# KiCad board ui.kicad_pcb (continued)
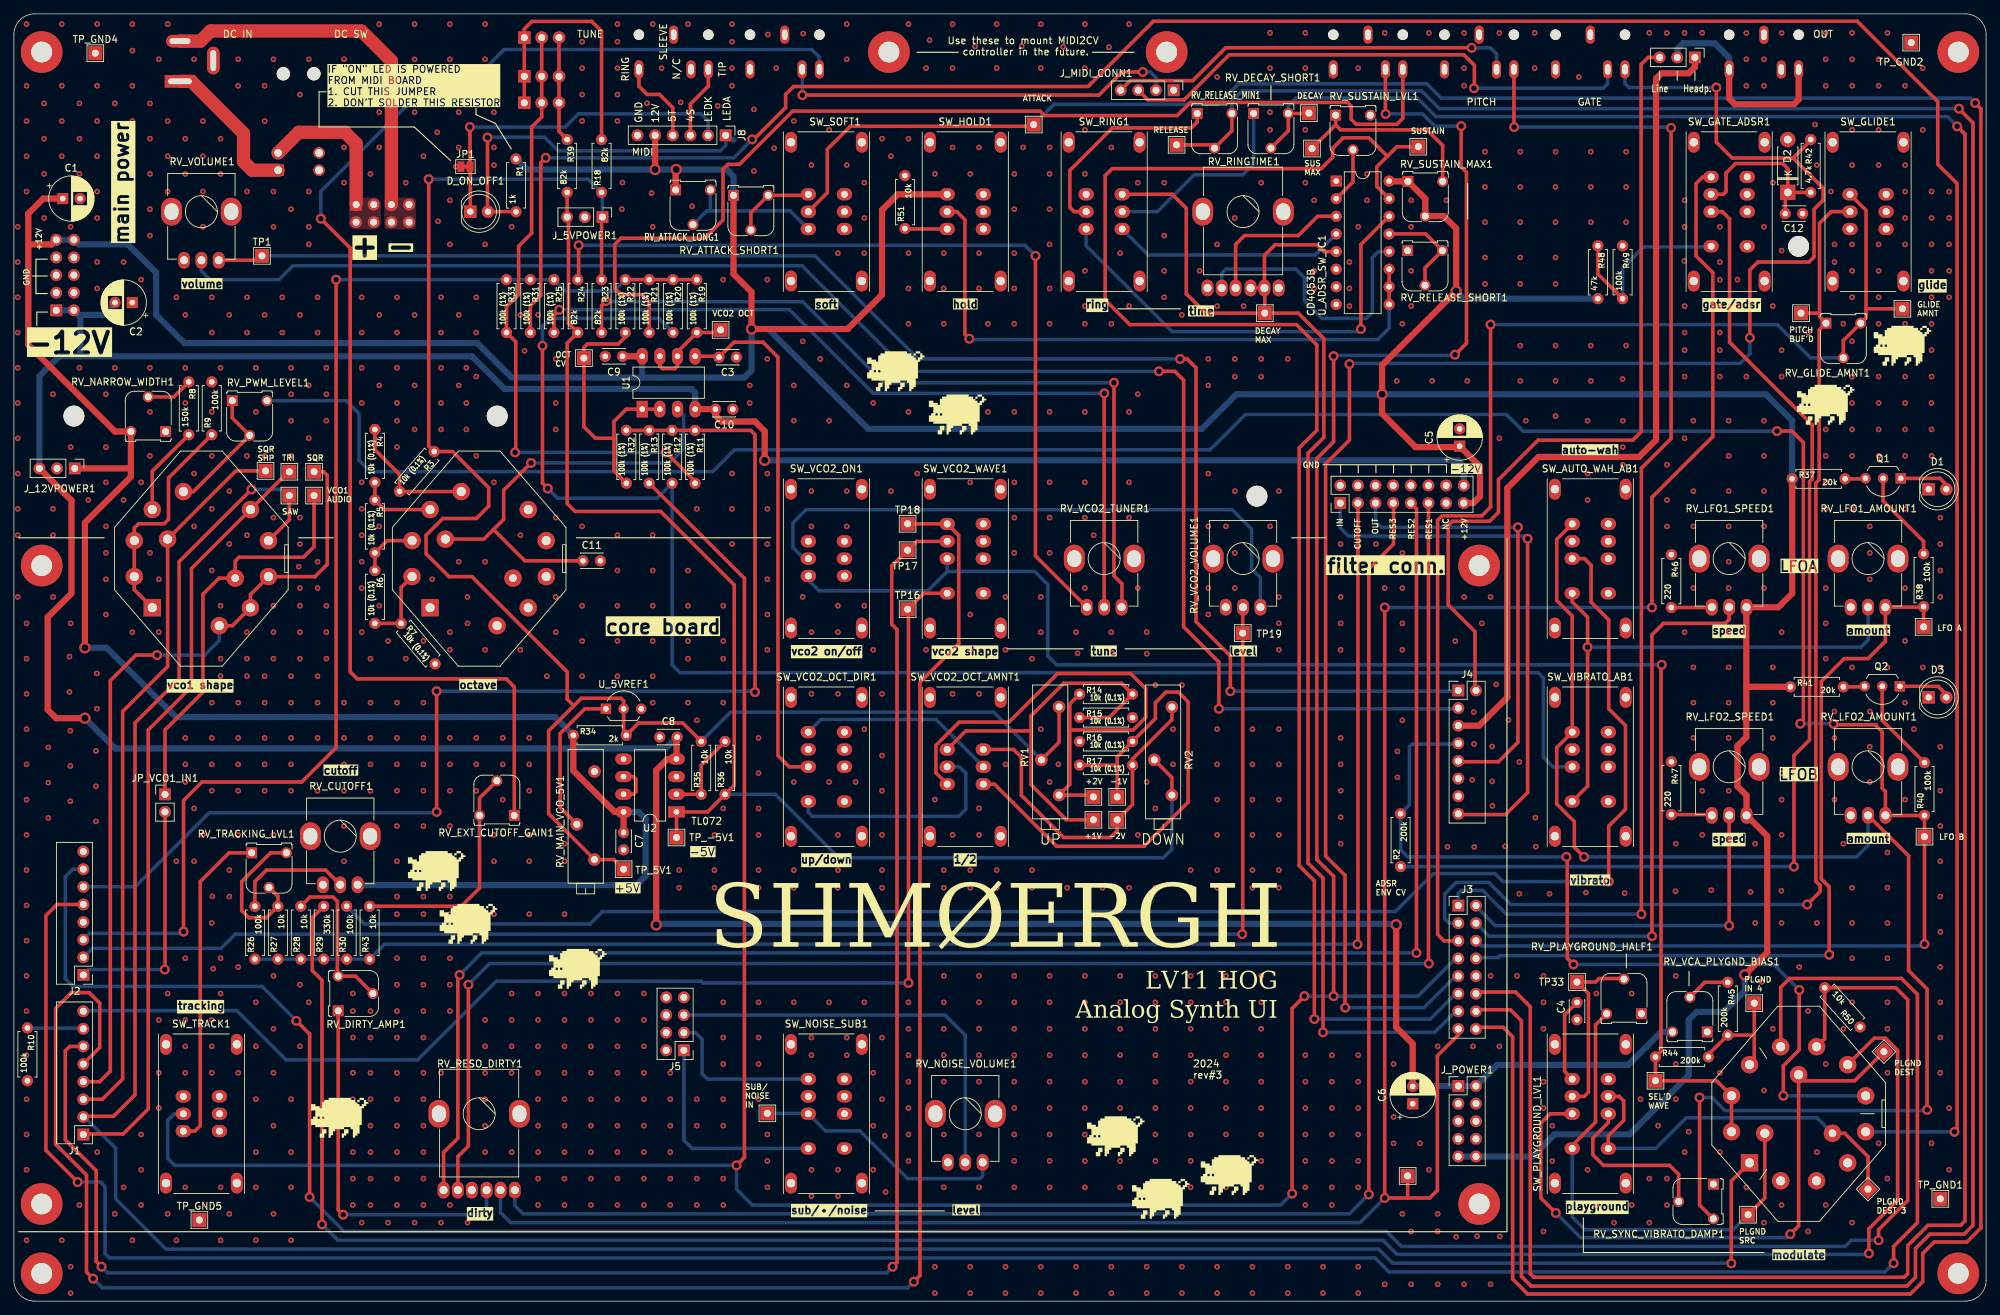
[diagram p0: board, top side]
## Routing (per net, layer and track width the routed paths; a pad name or vN(x,y) marks a point on that pad's centre or on a via; arc(x,y) is an arc through that point) (continued)
/Filter/AUTO_WAH_CV: length 238
  Top w0.508: v3(229.66,60.46) 229.66,68.46 232.07,70.87 232.07,82.94 229.66,85.35 229.66,98.18 227.12,100.72 227.12,106.05 226.17,107 SW_AUTO_WAH_AB1.3
  Bottom w0.508: v3(229.66,60.46) 214.42,60.46 213.28,61.6 204.38,61.6 198.92,56.14 84.75,56.14 82.97,54.36 50.46,54.36 R30.2
/Filter/PLAYGROUND_CV: length 312.2
  Top w0.508: v3(267.12,6.87) 267.12,10.42 271.26,14.56 271.26,36.14 269.5,37.9 267.9,37.9 SW_PLAYGROUND1.7 ; v3(44.36,11.06) 44.36,46.24 42.97,47.63 42.97,55.25 R29.2
  Bottom w0.508: v3(44.36,11.06) 46.65,8.77 197.15,8.77 199.18,6.74 267,6.74 v3(267.12,6.87)
/IO/MIDI_4R: length 12.6
  Top w0.508: J_MIDI_IN1.3 90,175.08 91.19,173.89 92.97,173.89 94.88,171.98 J8.4
/IO/MIDI_5T: length 10.6
  Top w0.508: J8.3 97.42,172.5 100,175.08 J_MIDI_IN1.2
/IO/MIDI_GATE_A: length 77.2
  Top w0.508: v3(210.25,174.78) 210.32,174.85 210.32,178.09 208.79,179.61 175.01,179.61 168.52,173.12 163.3,173.12 J_MIDI_CONN1.3
  Bottom w0.508: J_GATE1.4 229.5,175.43 228.86,174.78 v3(210.25,174.78)
/IO/MIDI_PITCH_A: length 59.3
  Top w0.508: J_MIDI_CONN1.4 160.76,175.88 169.76,175.88 174.5,180.63 209.94,180.63
  Bottom w0.508: v3(209.92,180.61) 212.62,180.61 213.5,179.73 J_PITCH1.4
/IO/MIDI_PITCH_B: length 58.2
  Top w0.508: v3(162.56,177.13) 159.57,177.13 156.24,173.79 v3(113.54,173.79)
  Bottom w0.508: v3(162.56,177.13) 163.65,177.13 164.46,176.32 J_MIDI_CONN1.2 ; J_EXT_CUTOFF1.4 113.54,177.46 v3(113.54,173.79)
/LFOs/LFO_B_CV: length 196.2
  Top w0.508: SW_AUTO_WAH_AB1.1 222.16,109.76 222.16,100.97 224.4,98.74 SW_VIBRATO_AB1.1 222.16,79.76 222.16,71.63 224.7,69.09 224.7,65.41 v3(226.1,64.01) ; RV_LFO2_AMOUNT1.2 272.84,64.16 272.84,47.63 275.5,44.97 v3(275.5,27.57) ; v3(242.74,29.34) 242.74,13.84 RV_SYNC_VIBRATO_DAMP1.3
  Bottom w0.508: v3(275.5,27.57) 275.4,27.46 246.4,27.46 244.52,29.34 v3(242.74,29.34) ; RV_LFO2_AMOUNT1.2 267,65.67 265.35,64.01 v3(226.1,64.01)
/LFOs/VIBRATO_CV: length 231.7
  Top w0.508: v3(76.11,137.68) 76.11,117.86 v3(76.88,117.1)
  Bottom w0.508: R20.2 92.88,141.61 77.26,141.61 76.11,140.47 v3(76.11,137.68) ; v3(76.88,117.1) 78.27,115.7 92.62,115.7 R12.2 94.78,91.7 95.93,90.56 219.5,90.56 220.26,89.8 220.26,78.37 221.63,77 SW_VIBRATO_AB1.3
/Playground/PLAYGROUND_DEST: length 92.2
  Top w0.508: v3(222.04,12.71) 219.88,14.87 219.88,25.66 221.22,27 SW_PLAYGROUND_LVL1.3 ; TP34.1 265.09,31.76 257.87,31.76 SW_PLAYGROUND1.14 257,10.84 v3(255.82,9.66)
  Bottom w0.508: v3(255.82,9.66) 255.31,9.15 225.59,9.15 v3(222.04,12.71)
/Playground/PLAYGROUND_SOURCE: length 71
  Top w0.508: SW_PLAYGROUND_LVL1.4 224.4,22.44 227.75,25.79 227.75,39.81 RV_PLAYGROUND_HALF1.3 ; TP32.1 252.13,14.86 SW_PLAYGROUND1.13
  Bottom w0.508: SW_PLAYGROUND_LVL1.4 224.4,12.12 226.23,10.29 247.56,10.29 TP32.1
/Playground/VCO2_SELECTED_WAVE: length 216
  Top w0.508: SW_PLAYGROUND1.2 247.34,29.59 SW_PLAYGROUND1.3 245.18,31.76 TP31.1 R44.1 237.19,35.99 237.19,91.61 v3(237.28,91.7)
  Bottom w0.508: 134.4,105.16 131.61,102.37 115.94,102.37 114.4,103.91 SW_VCO2_ON1.5 ; 134.4,105.16 146.99,105.16 148.89,103.26 148.89,92.97 150.16,91.7 v3(237.28,91.7) ; 134.4,105.16 SW_VCO2_WAVE1.3
/Playground/VCO2_SYNC_VIBRATO_CV: length 403.2
  Top w0.508: v3(279.44,24.39) 279.82,24.77 279.82,161.04 277.03,163.84 277.03,172.85 265.45,184.44 164.09,184.44 154.69,175.04 112.27,175.04 111.13,173.89 111.13,171.99 106.55,167.41 v3(106.31,167.41) ; v3(76.58,164.75) 75.86,164.03 75.86,144.91 74.36,143.42 R31.2
  Bottom w0.508: SW_PLAYGROUND1.9 279.43,24.41 v3(279.44,24.39) ; v3(76.58,164.75) 103.65,164.75 v3(106.31,167.41)
/VCO1/OCTAVE_CV: length 40.7
  Top w0.508: U1.2 U1.1 88.19,128.54 86.4,126.75 86.4,124.34 ; 86.4,124.34 83.73,124.34 82.08,125.99 TP10.1 82.08,137.42 82.59,137.93 87.04,137.93 88.05,138.94 R22.2 ; 86.4,124.34 86.4,119.66 R32.2
ADSR_ENV_CV: length 360.2
  Top w0.508: 200.7,14.87 v3(197.4,14.87) v3(197.4,99.96) ; 200.7,14.87 TP27.1 ; 200.7,14.87 203.88,14.87 204.98,15.97 204.98,35.35 208,38.37 J3.15 ; v3(235.88,99.96) 235.88,115.83 244.64,124.59 244.64,148.22 242.23,150.63 242.23,161.04 243.19,162 SW_GATE_ADSR1.1
  Bottom w0.508: RV_RESO_DIRTY1.6 70.08,12.78 71.54,11.31 193.84,11.31 v3(197.4,14.87) ; v3(197.4,99.96) v3(235.88,99.96)
ATTACK: length 458.4
  Top w0.508: SW_SOFT1.3 117.14,159.74 117.14,166 120.44,169.3 146.6,169.3 TP5.1 ; v3(282.43,172.66) 283.25,171.84 283.25,10.55 281.22,8.52 276.52,8.52 274.87,6.87 274.87,2.8 273.09,1.02 217.97,1.02 215.81,3.18 215.81,38.11 214.46,39.46 210.78,39.46 J3.16
  Bottom w0.508: TP5.1 149.78,172.47 173.4,172.47 176.34,175.42 203.46,175.42 205.51,173.36 281.73,173.36 v3(282.43,172.66)
DECAY: length 382.6
  Top w0.508: J3.12 210.78,44.54 216.24,44.54 218.35,42.43 218.35,3.94 218.86,3.44 272.2,3.44 272.71,3.94 272.71,8.01 275.63,10.93 280.33,10.93 280.97,11.56 280.97,168.16 v3(279.82,169.3) ; TP7.1 186.43,171.16 RV_DECAY_SHORT1.3 183.52,168.66 RV_DECAY_SHORT1.2
  Bottom w0.508: RV_DECAY_SHORT1.3 183.52,172.24 184.66,173.39 202.07,173.39 204.77,170.69 278.43,170.69 v3(279.82,169.3)
DECAY_MAX: length 189.1
  Top w0.508: TP4.1 171.62,142.37 168.82,145.17 168.82,157.49 166.81,159.5 SW_RING1.2 ; TP4.1 184.95,142.37 188.64,138.69 188.64,124.47 186.35,122.18 186.35,63.13 188.51,60.97 v3(188.51,38.74) ; TP4.1 180.13,145.95 RV_RINGTIME1.6 ; RV_RINGTIME1.6 RV_RINGTIME1.5 ; RV_RINGTIME1.6 180.07,150.7 181.59,152.22 187.68,152.22 188.65,151.25 190.41,151.25
  Bottom w0.508: J3.13 207.62,41.76 204.6,38.74 v3(188.51,38.74)
EXTERNAL_CUTOFF_CV: length 196.5
  Top w0.508: RV_EXT_CUTOFF_GAIN1.1 72.05,88.53 70.91,89.67 49.44,89.67 48.43,90.69 48.43,151.76 v3(44.2,155.99)
  Bottom w0.508: v3(44.2,155.99) 44.2,159.93 56.66,172.38 62.61,172.38 70.6,180.37 114.89,180.37 116,179.26 J_EXT_CUTOFF1.2
FINE_TUNE: length 90.4
  Top w0.508: RV_FINE_TUNE1.2 76,170.63 74.55,169.18 74.55,153.89 72.69,152.03 72.69,145.04 70.94,143.29 R33.2 72.27,138.25 72.27,122.4 v3(72.18,122.31) ; v3(93.89,122.31) 98.09,118.12 R11.2
  Bottom w0.508: v3(72.18,122.31) v3(93.89,122.31)
GLIDE_AMOUNT: length 181.7
  Top w0.508: RV_GLIDE_AMNT1.2 263.44,138.43 RV_GLIDE_AMNT1.3 266.72,141.71 266.72,143.01 ; J3.5 205.94,51.92 205.02,52.84 205.02,112.53 205.66,113.16 211.37,113.16 212.64,114.43 v3(212.64,140.72) ; 266.72,143.01 266.72,157.18 SW_GLIDE1.1 ; 266.72,143.01 TP9.1
  Bottom w0.508: RV_GLIDE_AMNT1.2 258.71,135.93 253.92,140.72 v3(212.64,140.72)
GLIDED_PITCH: length 497.4
  Top w0.508: R13.2 105.2,104.15 105.2,20.71 v3(104.06,19.56) ; v3(190.03,43.95) 190.03,61.22 187.62,63.63 187.62,121.42 190.03,123.83 v3(190.03,136.18) ; v3(197.53,171.08) 197.5,171.1 J_VCO2_PITCH1.4 ; v3(207.52,136.38) 209.17,138.03 209.17,162.68 208.41,163.45 v3(208.41,169.32) ; v3(184.06,15.5) 184.06,42.17 v3(185.84,43.95)
  Bottom w0.508: v3(190.03,136.18) 190.14,136.28 207.42,136.28 v3(207.52,136.38) ; SW_TRACK1.3 23.1,27 22.14,26.04 22.14,20.58 23.16,19.56 v3(104.06,19.56) 104.06,16.14 106.34,13.85 182.41,13.85 v3(184.06,15.5) ; v3(208.41,169.32) 204.61,169.32 202.86,171.08 v3(197.53,171.08) ; v3(185.84,43.95) v3(190.03,43.95) 202.19,43.95 207.62,49.38 J3.7
HEADPHONES: length 122.9
  Top w0.889: J4.5 210.97,82.92 215.05,87 215.05,117.16 219.54,121.65 234.02,121.65 236.48,124.11 236.48,176.18 237.24,176.94 241.18,176.94 242.07,177.83 JP_PHO-LINE1.1
KB_GATE: length 249.5
  Top w0.508: 256.2,164.73 258.74,167.27 R42.1 ; 256.2,164.73 247.44,164.73 245.15,167.01 v3(245.15,174.89) ; 256.2,164.73 260.52,160.41 260.52,158.63 259.22,157.33 259.22,150.48 258.49,149.74 251.12,149.74 249.98,148.6 v3(249.98,138.82) ; v3(191.71,42.3) 191.69,42.32 191.69,61.35 188.89,64.14 188.89,120.66 192.32,124.09 v3(192.32,135.03)
  Bottom w0.508: v3(191.71,42.3) 203.07,42.3 207.62,46.84 J3.9 ; v3(192.32,135.03) 192.42,135.13 248.58,135.13 249.98,136.53 v3(249.98,138.82) ; v3(245.15,174.89) 232.58,174.89 232,175.47 J_GATE1.2
KB_PITCH: length 175.8
  Top w0.508: v3(234.36,55.76) 234.36,120.02 238.64,124.3 v3(238.64,169.07) ; v3(216.03,169.2) 216,169.23 J_PITCH1.2
  Bottom w0.508: v3(216.03,169.2) 238.51,169.2 v3(238.64,169.07) ; v3(234.36,55.76) 214.93,55.76 211.5,59.19 208.45,59.19 208,58.74 J3.1
LED_A(5V): length 51.7
  Top w0.508: R1.2 72.28,157 D_ON_OFF1.2 68.2,157.07 68.2,167.67 v3(68.2,167.67)
  Bottom w0.508: J8.1 102.5,166.54 101.73,165.77 78.36,165.77 76.4,167.73 68.26,167.73 v3(68.2,167.67)
  Bottom w0.889: 103.63,167.35 103.63,167.39
LED_K(GND): length 49.8
  Top w0.508: v3(65.66,169.2) 65.68,169.18 JP1.2 65.72,163.43 D_ON_OFF1.1
  Bottom w0.508: J8.2 99.96,170.08 98.94,171.1 81.28,171.1 79.38,169.2 v3(65.66,169.2)
LFO_A: length 115.9
  Top w0.508: v3(261.41,49.92) 261.41,59.7 260.26,60.84 260.26,89.29 263.57,92.59 267,92.59 269.5,95.09 RV_LFO1_AMOUNT1.3 274.91,100 R38.1 TP25.1
  Bottom w0.508: J3.8 210.67,49.51 213.73,49.51 214.01,49.79 261.28,49.79 v3(261.41,49.92)
LFO_A_RATE: length 83.3
  Top w0.508: RV_LFO1_SPEED1.2 247,98.25 246.42,97.67 237.53,97.67 235.88,96.02 v3(235.88,52.59)
  Bottom w0.508: J3.4 212.41,52.59 v3(235.88,52.59)
LFO_B: length 389
  Top w0.508: v3(275.12,51.44) TP26.1 R40.1 269.52,69.98 RV_LFO2_AMOUNT1.3 269.5,73.45 269.03,73.92 269.03,82.05 268.14,82.94 268.14,83.06 262.17,83.06 v3(262.04,83.19) ; v3(257.24,83.22) 257.69,83.66 257.69,123.73 256.04,125.38 v3(253.88,125.38)
  Bottom w0.508: RV_PWM_LEVEL1.3 47.84,129.75 49.7,127.9 49.7,121.16 51.32,119.54 100.63,119.54 103.78,122.69 172.25,122.69 177.33,127.77 214.93,127.77 217.34,125.36 253.85,125.36 v3(253.88,125.38) 253.9,125.36 253.92,125.36 ; J3.6 211.27,51.19 274.87,51.19 v3(275.12,51.44) ; v3(262.04,83.19) 262.02,83.22 v3(257.24,83.22)
LFO_B_RATE: length 53.6
  Top w0.508: v3(247,54.11) RV_LFO2_SPEED1.2
  Bottom w0.508: J3.2 210.54,56.87 213.3,54.11 v3(247,54.11)
MAIN_OUT: length 117.6
  Top w0.508: JP_PHO-LINE1.3 235.33,179.23 234.32,178.21 234.32,125.25 233.14,124.07 219.49,124.07 213.78,118.37 213.78,113.67 212.49,112.38 207.15,112.38 206.54,111.77 206.54,100.34 210.4,96.49 210.4,88.15 J4.2
MAIN_VOL_IN: length 235.2
  Top w0.508: v3(173.52,85.35) 173.52,92.08 168.44,97.16 168.44,132.72 167.17,133.99 v3(164.89,133.99)
  Bottom w0.508: v3(173.52,85.35) 207.89,85.35 J4.3 ; v3(164.89,133.99) 128.69,133.99 113.48,149.21 40.17,149.21 38.16,147.2 28.24,147.2 27,148.44 RV_VOLUME1.2
MAIN_VOL_MAX: length 229.2
  Top w0.508: v3(175.18,87.89) 175.18,92.97 170.22,97.92 170.22,134.5 168.95,135.77 v3(167.94,135.77) ; RV_VOLUME1.3 35.1,150 TP1.1
  Bottom w0.508: v3(167.94,135.77) 130.22,135.77 115.36,150.63 TP1.1 ; v3(175.18,87.89) 207.89,87.89 J4.1
NOISE: length 31.4
  Bottom w0.508: SW_NOISE_SUB1.4 97.68,22 96.48,23.21 J5.1
NOISE_AUDIO: length 60
  Bottom w0.508: 96.48,41.22 134.08,41.22 137,38.31 RV_NOISE_VOLUME1.2
PITCH_BUFFERED: length 167.9
  Top w0.508: 260.01,142.37 260.01,141.86 RV_GLIDE_AMNT1.1 259.97,139.96 259.97,118.38 259.48,117.89 259.48,60.51 260.1,59.89 260.1,59.02 v3(258.23,57.16) ; 260.01,142.37 260.01,155.33 261.68,157 SW_GLIDE1.3 ; 260.01,142.37 TP8.1
  Bottom w0.508: J3.3 206.7,54.46 206.04,55.12 206.04,58.68 207.69,60.33 212.39,60.33 215.56,57.16 v3(258.23,57.16)
RELEASE: length 397.4
  Top w0.508: v3(280.08,171.84) 282.11,169.81 282.11,10.93 280.84,9.66 275.92,9.66 273.83,7.57 273.83,3.41 272.58,2.17 218.48,2.17 217.09,3.56 217.09,40.39 215.48,42 210.78,42 J3.14 ; TP6.1 172.41,166.63 RV_RELEASE_MIN1.2 175.39,168.66 RV_RELEASE_MIN1.3
  Bottom w0.508: v3(280.08,171.84) 205.27,171.84 202.71,174.4 176.85,174.4 175.39,172.94 RV_RELEASE_MIN1.3
SUB: length 23.6
  Bottom w0.508: J5.3 98.14,38.69 99.1,37.73 99.1,32.77 99.88,32 SW_NOISE_SUB1.1
SUBMIX: length 79.2
  Top w0.508: v3(217.97,109.86) 217.97,73.29 214.8,70.11 208.11,70.11 J4.15
  Bottom w0.508: v3(217.97,109.86) 217.59,110.24 192.19,110.24 191,111.44 191,115.15
SUSTAIN: length 229.7
  Top w0.508: 197.78,164.98 195.11,167.65 191.43,167.65 189.91,166.12 189.91,164.85 188.26,163.2 158.16,163.2 157.14,162.19 157.14,144.28 160.7,140.72 184.7,140.72 187.62,137.8 187.62,125.48 185.08,122.94 185.08,62.75 187.27,60.56 v3(187.27,40.65) ; 197.78,164.98 196.26,163.46 196.26,160.65 U_ADSR_SW_IC1.15 ; 197.78,164.98 199.16,166.36 TP3.1
  Bottom w0.508: J3.11 207.62,44.3 203.96,40.65 v3(187.27,40.65)
VCA_AUDIO_IN: length 64.4
  Top w0.508: J4.9 208.11,77.73 213.78,77.73 216.58,80.53 v3(216.58,111.51)
  Bottom w0.508: v3(216.58,111.51) 196.89,111.51 196.08,112.32 196.08,115.15
VCA_ENV_CV: length 124.9
  Top w0.508: v3(224.58,48.52) 223.69,49.41 223.69,63.89 v3(223.56,64.01) ; v3(257.09,44.84) 257.09,36.2 254.8,33.92 v3(254.8,29.6)
  Bottom w0.508: v3(223.56,64.01) 200.7,64.01 199.69,65.03 R2.2 200.96,71.51 200.96,79.89 201.34,80.27 207.89,80.27 J4.7 ; SW_PLAYGROUND1.8 254.81,29.59 v3(254.8,29.6) ; v3(224.58,48.52) 253.41,48.52 v3(257.09,44.84)
VCO1_AUDIO: length 34.8
  Top w0.508: v3(21.72,47.78) 21.76,47.82 JP_VCO1_IN1.2
  Bottom w0.508: v3(21.72,47.78) 10.78,47.78 J2.1
VCO1_CV: length 174.6
  Top w0.508: v3(60.88,70.49) v3(60.88,87.89) ; 106.72,87.64 v3(106.72,87.76) 106.72,124.85 106.09,125.48 R11.1 R12.1 R13.1 R32.1
  Bottom w0.508: v3(60.88,70.49) 60.75,70.37 28.11,70.37 17.47,59.72 10.02,59.72 J2.11 ; v3(60.88,87.89) 106.59,87.89 v3(106.72,87.76)
VCO1_FM: length 367
  Top w0.508: v3(268.52,8.77) 268.52,10.29 272.71,14.49 272.71,43.44 270.99,45.17 R50.2 260.75,37.83 SW_PLAYGROUND1.6 ; v3(42.59,14.99) 42.59,38.49 v3(40.68,40.39)
  Bottom w0.508: v3(268.52,8.77) 264.58,8.77 263.69,7.88 199.81,7.88 197.65,10.04 47.54,10.04 v3(42.59,14.99) ; J2.13 8.49,62.24 7.41,61.16 7.41,46.48 8.54,45.35 35.73,45.35 v3(40.68,40.39)
VCO1_SAW: length 382.4
  Top w0.508: SW_WAVESHAPE1.7 39.67,112.59 TP13.1 ; SW_PLAYGROUND1.1 247.31,17.31 v3(247.31,5.44) ; v3(34.2,116.97) 23.79,106.56 23.79,89.67 17.44,83.32 17.44,29.72 14.35,26.63 10.09,26.63 J1.3
  Bottom w0.508: J1.3 10.16,26.54 14.65,22.05 14.65,14.74 21.89,7.5 196.51,7.5 198.54,5.47 247.29,5.47 v3(247.31,5.44) ; TP13.1 38.78,116.97 v3(34.2,116.97)
VCO1_SQR: length 116.5
  Top w0.508: SW_WAVESHAPE1.10 31.48,97.34 SW_WAVESHAPE1.9 34.06,101.81 SW_WAVESHAPE1.8 43.36,104.41 45.13,106.18 45.13,119.01 44.62,119.51 TP11.1 ; J1.7 12.35,31.62 13.88,33.15 13.88,89.41 17.57,93.1 v3(20.62,93.1)
  Bottom w0.508: v3(20.62,93.1) 27.47,93.1 29.58,95.2 SW_WAVESHAPE1.10 ; 10.06,31.87 10.2,32.01
VCO1_SQR_SHAPE: length 105.5
  Top w0.508: TP15.1 31.96,119.64 SW_WAVESHAPE1.11 22.14,109.8 22.14,91.45 15.66,84.97 15.66,32.01 12.73,29.08 J1.5
VCO1_TRI: length 111.2
  Top w0.508: J1.1 10.09,24.09 15.75,24.09 19.35,27.69 19.35,82.3 25.57,88.53 25.57,105.57 SW_WAVESHAPE1.6 39.52,119.51 TP12.1
  Bottom w0.508: 10.06,24.26 10.06,24.25
VCO2_AUDIO: length 215.4
  Top w0.508: v3(176.88,52.88) 176.95,52.95 TP19.1 176.95,99.95 RV_VCO2_VOLUME1.2
  Bottom w0.508: J2.3 11.29,50.83 29.83,50.83 31.88,52.88 v3(176.88,52.88)
VCO2_CV: length 179.7
  Top w0.508: v3(46.4,147.2) 46.4,79.76 41.44,74.81 27.09,74.81 24.43,72.14 v3(24.43,53.25) ; R22.1 R19.1
  Bottom w0.508: v3(46.4,147.2) R33.1 R25.1 79.42,145.55 86.4,145.55 R22.1 ; v3(24.43,53.25) 24.17,52.99 10.91,52.99 J2.5
VCO2_PITCH: length 153.1
  Top w0.508: R21.2 91.48,144.03 90.47,145.04 87.42,145.04 86.53,145.93 86.53,152.28 87.42,153.17 99.48,153.17 102.11,155.8 102.11,163.1 102.82,163.81 104.47,163.81 112.15,171.48 147.75,171.48 148.39,170.85 167.52,170.85 169.41,172.74 192.06,172.74 192.57,172.22 192.57,170.31 193.3,169.59 199.15,169.59 200,170.44 J_VCO2_PITCH1.2
VCO2_SAW: length 261.8
  Top w0.508: v3(12.62,4.96) 11.85,5.72 11.85,18.8 7.41,23.25 7.41,36.07 8.03,36.7 J1.11 ; v3(126.53,4.96) 127.17,5.59 127.17,96.78 126.41,97.54 126.41,105.93 TP17.1 129.96,109.48 134.38,109.48 SW_VCO2_WAVE1.2
  Bottom w0.508: v3(126.53,4.96) 125.65,4.07 13.5,4.07 v3(12.62,4.96)
VCO2_SQR: length 187.2
  Top w0.508: SW_VCO2_WAVE1.4 130.99,102 TP16.1 128.82,99.57 v3(128.82,45.85)
  Bottom w0.508: J1.15 10.09,41.87 32.09,41.87 39.2,34.76 58.14,34.76 69.48,46.11 98.97,46.11 99.23,45.85 v3(128.82,45.85)
VCO2_SQR_SHAPE: length 8.1
  Bottom w0.508: R10.1 1.99,39.33 9.91,39.33 J1.13
VCO2_SYNC: length 389.3
  Top w0.508: J2.9 6.2,57.16 4.61,55.57 4.61,21.72 v3(9.19,17.15) ; SW_PLAYGROUND1.5 254.42,45.21 255.7,46.5 271.81,46.5 274.11,44.2 274.11,11.31 270.68,7.88 v3(270.68,5.47)
  Bottom w0.508: v3(270.68,5.47) 269.41,4.2 198.03,4.2 196,6.23 13.76,6.23 13.12,6.87 13.12,16.52 12.49,17.15 v3(9.19,17.15)
VCO2_TRI: length 296.2
  Top w0.508: TP18.1 134.38,112.02 SW_VCO2_WAVE1.1 136.06,110.34 136.06,94.75 130.47,89.16 130.47,3.69 v3(129.58,2.8) ; J1.9 10,34.19 12.36,36.55 12.36,42.93 10.84,44.46 8.3,44.46 6.01,42.17 6.01,22.61 10.46,18.17 10.46,4.2 v3(11.41,3.25)
  Bottom w0.508: v3(129.58,2.8) 128.69,1.91 12.74,1.91 v3(11.41,3.25)
Net-(#D2-A): length 3
  Top w0.508: Q1.3 266.56,118.5 R37.2
Net-(#D4-A): length 3.1
  Top w0.508: R41.2 266.43,88.53 Q2.3
Net-(C4-Pad1): length 12.2
  Top w0.508: SW_PLAYGROUND_LVL1.1 223.31,33.09 223.31,41.26 C4.1
Net-(D1-A): length 7.6
  Top w0.508: Q1.1 277.34,118.57 278.26,117.64 278.26,117
Net-(D2-K): length 24.7
  Top w0.508: C12.1 255.08,159.41 D2.1 ; R42.2 D2.1 ; D2.1 255.44,163.2 254.7,163.94 247.92,163.94 246.55,162.57 246.55,159.9 246.15,159.5 SW_GATE_ADSR1.2
Net-(D3-A): length 7.6
  Top w0.508: Q2.1 277.09,88.59 278.26,87.42 278.26,87
Net-(J_FILTER_CONN1-Pin_3): length 223.4
  Top w0.508: 193.54,115.15 193.54,51.49 v3(193.46,51.42)
  Bottom w0.508: v3(193.46,51.42) 193.44,51.44 53.38,51.44 R43.1 R26.1
Net-(J_FILTER_CONN1-Pin_7): length 227.9
  Top w0.508: 198.67,114.95 198.67,109.1 195.11,105.54 v3(195.11,15.37)
  Bottom w0.508: RV_RESO_DIRTY1.3 72.12,13.78 73.32,12.58 192.32,12.58 v3(195.11,15.37)
Net-(J_FILTER_CONN1-Pin_9): length 236.2
  Top w0.508: v3(201.97,50.17) 201.97,114.19 201.21,114.95 ; RV_RESO_DIRTY1.2 61.88,21.42 63.92,23.46 63.92,46.74 v3(64.18,47)
  Bottom w0.508: v3(64.18,47) 67.35,50.17 v3(201.97,50.17)
Net-(J_FILTER_CONN1-Pin_11): length 236.3
  Top w0.508: v3(203.75,48.65) 203.7,48.7 203.7,115.15 ; v3(65.45,45.6) 65.45,22.36 63.92,20.84 RV_RESO_DIRTY1.1
  Bottom w0.508: v3(65.45,45.6) 68.5,48.65 v3(203.75,48.65)
Net-(JP_PHO-LINE1-C): length 30.7
  Top w0.889: J_HEADPHONES1.3 247,173.29 247.82,172.47 256.33,172.47 257,173.14 J_HEADPHONES1.2
  Bottom w0.889: J_HEADPHONES1.3 247,179.18 244.92,181.26 240.36,181.26 239.53,180.43 JP_PHO-LINE1.2
Net-(JP_VCO1_IN1-A): length 58.7
  Top w0.508: JP_VCO1_IN1.1 21.76,82.3 27.22,87.76 27.22,101.86 29.54,104.19 SW_WAVESHAPE1.12 31.87,106.64 32.43,107.19 41.7,107.19 43.22,108.72 TP14.1
Net-(Q1-B): length 13.3
  Top w0.508: Q1.2 269.17,115.31 275,109.48 R38.2
Net-(Q2-B): length 13.5
  Top w0.508: Q2.2 269.04,83.69 R40.2
Net-(R2-Pad1): length 159.1
  Top w0.508: SW_GATE_ADSR1.3 246.02,157 247.06,155.96 247.06,138.18 258.96,126.28 258.96,118.48 258.58,118.1 258.58,80.87 256.33,78.62 v3(256.33,62.62)
  Bottom w0.508: R2.1 v3(256.33,62.62)
Net-(R3-Pad2): length 19.3
  Top w0.508: SW_OCTAVE1.5 55.55,116.66 R3.2 55.53,119.14 51.98,122.69 R4.1
Net-(R4-Pad2): length 11.1
  Top w0.508: SW_OCTAVE1.4 53.36,114.07 R5.1 R4.2
Net-(R5-Pad2): length 8.6
  Top w0.508: SW_OCTAVE1.3 53.75,109.59 R5.2 R6.1
Net-(R6-Pad2): length 11.2
  Top w0.508: R6.2 55.76,97.67 R7.1 55.76,102.83 SW_OCTAVE1.2
Net-(R8-Pad1): length 6.7
  Top w0.508: R8.1 23.03,130.31 RV_NARROW_WIDTH1.2
Net-(R8-Pad2): length 13
  Top w0.508: SW_WAVESHAPE1.4 19.93,119.59 R8.2
Net-(R9-Pad1): length 32.8
  Top w0.508: SW_WAVESHAPE1.1 17.34,102.52 SW_WAVESHAPE1.2 17.34,104.42 SW_WAVESHAPE1.3 17.34,111.41 17.95,112.02 21.63,112.02 22.27,112.66 22.27,118.62 R9.1
Net-(R18-Pad2): length 38.4
  Top w0.508: RV_FINE_TUNE1.1 RV_FINE_TUNE1.1 73.5,183.32 74.59,184.41 83.23,184.41 84.62,183.01 R18.2
Net-(R23-Pad2): length 115.7
  Top w0.508: v3(158.41,132.34) 158.41,104.53 159.55,103.38 159.55,100.05 RV_VCO2_TUNER1.3 ; v3(85.26,144.13) 84.62,143.49 R23.2
  Bottom w0.508: v3(158.41,132.34) 125.26,132.34 113.58,144.03 85.36,144.03 v3(85.26,144.13)
Net-(R24-Pad1): length 125.1
  Top w0.508: RV_VCO2_TUNER1.1 147.11,107.39 v3(147.11,150.63) ; R24.1 81.32,147.33 v3(81.32,152.15)
  Bottom w0.508: v3(147.11,150.63) 145.58,152.15 v3(81.32,152.15)
Net-(R25-Pad2): length 117.9
  Top w0.508: v3(78.53,142.86) 77.77,142.09 R25.2 ; v3(157.01,130.82) 157,130.8 RV_VCO2_TUNER1.2
  Bottom w0.508: v3(157.01,130.82) 123.74,130.82 111.68,142.88 78.55,142.88 v3(78.53,142.86)
Net-(R26-Pad2): length 17.5
  Top w0.25: 47.08,59.83 47.04,59.87
  Top w0.508: R26.2 34.71,60.46 36.36,62.11 44.89,62.11 RV_CUTOFF1.2
Net-(R27-Pad2): length 21.9
  Top w0.508: RV_TRACKING_LVL1.2 38.02,58.33 R27.2 36.36,55.25 33.82,55.25 32.81,56.27 32.81,60.46 36.95,64.6 RV_TRACKING_LVL1.3
Net-(R28-Pad2): length 22.9
  Top w0.508: RV_DIRTY_AMP1.2 49.2,46.83 RV_DIRTY_AMP1.3 46.59,46.94 46.59,57.6 45.95,58.24 42.65,58.24 R28.2
Net-(R39-Pad1): length 15.2
  Top w0.508: R39.1 78.5,168.56 RV_FINE_TUNE1.3
Net-(R43-Pad2): length 33.4
  Top w0.508: RV_EXT_CUTOFF_GAIN1.2 67.05,72.48 RV_EXT_CUTOFF_GAIN1.3 67.05,59.52 64.43,56.9 R43.2
Net-(R44-Pad2): length 17.3
  Top w0.508: 250.61,38.36 250.61,34.76 SW_PLAYGROUND1.4 ; 250.61,38.36 250.58,38.33 R45.2 244.01,35.53 R44.2 ; 250.61,38.36 TP29.1
Net-(R45-Pad1): length 6.4
  Top w0.508: R45.1 243.5,45.95 RV_VCA_PLYGND_BIAS1.2
Net-(R46-Pad2): length 5.8
  Top w0.508: R46.2 244.46,99.96 RV_LFO1_SPEED1.1
Net-(R47-Pad2): length 5.9
  Top w0.508: R47.2 244.39,70.11 RV_LFO2_SPEED1.1
Net-(R48-Pad1): length 27.6
  Top w0.508: R48.1 228.1,148.02 R49.2
  Bottom w0.508: SW_GATE_ADSR1.4 244.32,151.92 234.7,151.92 231.65,148.88 R49.2
Net-(RV_DIRTY_AMP1-Pad1): length 53.2
  Top w0.508: RV_DIRTY_AMP1.1 46.7,13.17 v3(47.41,12.45)
  Bottom w0.508: RV_RESO_DIRTY1.5 68.08,13.56 66.97,12.45 v3(47.41,12.45)
Net-(RV_LFO1_AMOUNT1-Pad2): length 77.4
  Top w0.508: SW_AUTO_WAH_AB1.4 224.4,100.77 226.61,98.56 v3(226.61,94.24) 226.61,74.21 SW_VIBRATO_AB1.4
  Bottom w0.508: v3(226.61,94.24) 265.98,94.24 267,95.26 RV_LFO1_AMOUNT1.2
Net-(RV_NOISE_VOLUME1-Pad3): length 37
  Bottom w0.508: TP28.1 114.34,27.06 SW_NOISE_SUB1.3 116.88,24.52 121.84,24.52 128.69,17.66 139.11,17.66 139.5,18.05 RV_NOISE_VOLUME1.3
Net-(RV_PLAYGROUND_HALF1-Pad2): length 26.2
  Top w0.508: RV_PLAYGROUND_HALF1.2 231.78,46.49 228.26,46.49 227.75,45.98 TP33.1 226.74,44.33 226.74,30.11 226.13,29.5 SW_PLAYGROUND_LVL1.2
Net-(RV_PWM_LEVEL1-Pad1): length 18.9
  Top w0.508: RV_PWM_LEVEL1.1 31.45,127.25 RV_PWM_LEVEL1.2 25.86,116.66 SW_WAVESHAPE1.5
Net-(RV_SUSTAIN_LVL1-Pad1): length 28
  Top w0.508: 190.33,169.5 191.04,168.79 203.5,168.79 205.74,166.54 RV_SUSTAIN_MAX1.3 ; 190.33,169.5 TP2.1 ; 190.33,169.5 RV_SUSTAIN_LVL1.1
Net-(RV_SYNC_VIBRATO_DAMP1-Pad2): length 24.3
  Top w0.508: RV_SYNC_VIBRATO_DAMP1.2 239.73,18.26 238.42,19.56 228.9,19.56 227.37,21.09 227.37,23.5 229.6,25.73 SW_PLAYGROUND_LVL1.7
Net-(SW_HOLD1A-B): length 90.1
  Top w0.508: v3(137.58,138.69) 136.95,139.33 136.95,155.84 135.78,157 SW_HOLD1.3 ; U_ADSR_SW_IC1.11 U_ADSR_SW_IC1.9
  Bottom w0.508: U_ADSR_SW_IC1.9 198.03,140.22 196.38,138.56 137.71,138.56 v3(137.58,138.69)
Net-(SW_HOLD1A-C): length 6.1
  Top w0.508: SW_HOLD1.5 128.38,154.5 R51.1
Net-(SW_PLAYGROUND1-Pad15): length 56.5
  Top w0.508: SW_PLAYGROUND_LVL1.8 229.6,23.82 231.82,26.04 231.82,28.84 231.15,29.5 SW_PLAYGROUND_LVL1.6 ; SW_PLAYGROUND1.15 263.64,24.19 267,20.83 TP35.1
  Bottom w0.508: SW_PLAYGROUND1.15 259.63,26.42 240.83,26.42 236.41,22 SW_PLAYGROUND_LVL1.8
Net-(SW_RING1A-B): length 30.4
  Top w0.508: RV_RELEASE_MIN1.1 170.39,169.91 169.55,169.07 158.18,169.07 152.06,162.95 152.06,157.61 152.68,157 SW_RING1.3
Net-(SW_RING1A-C): length 65.2
  Top w0.508: v3(193.97,140.09) 193.97,152.26 198.03,156.33
  Bottom w0.508: v3(193.97,140.09) 193.59,139.71 166.79,139.71 154.4,152.09 SW_RING1.5
Net-(SW_RING1B-B): length 29
  Bottom w0.508: RV_DECAY_SHORT1.1 178.52,163.88 176.95,162.31 169.97,162.31 164.66,157 SW_RING1.4
Net-(SW_RING1B-C): length 33.6
  Bottom w0.508: U_ADSR_SW_IC1.4 187.38,150.76 163.34,150.76 SW_RING1.6
Net-(SW_SOFT1A-A): length 11.9
  Top w0.508: SW_SOFT1.1 114.25,159.35 RV_ATTACK_SHORT1.3 106.13,156.85 RV_ATTACK_SHORT1.2
Net-(SW_SOFT1A-C): length 21.5
  Bottom w0.508: 100.33,157.13 100.29,157.17 RV_ATTACK_LONG1.3 ; 100.33,157.13 111.77,157.13 SW_SOFT1.5 ; 100.33,157.13 99.79,157.13 RV_ATTACK_LONG1.2
Net-(SW_TRACK1A-C): length 47.1
  Top w0.508: RV_TRACKING_LVL1.1 30.98,64.6 26.84,60.46 26.84,25.28 26.06,24.5 SW_TRACK1.5
Net-(SW_VCO2_OCT_AMNT1A-A): length 60.4
  Top w0.508: R15.1 157.7,84.09 R14.2 159.51,89.03 151.17,89.03 146.47,84.34 146.47,82.18 ; SW_VCO2_OCT_AMNT1.1 137.08,82.18 146.47,82.18 ; 146.47,82.18 146.47,74.43 151.54,69.36 TP22.1
Net-(SW_VCO2_OCT_AMNT1A-B): length 33.2
  Bottom w0.508: SW_VCO2_OCT_AMNT1.3 136.16,77 137.07,76.08 137.07,70.87 136.06,69.86 114.98,69.86 114.4,70.43 SW_VCO2_OCT_DIR1.4
Net-(SW_VCO2_OCT_AMNT1A-C): length 78.3
  Top w0.508: 152.06,82.3 152.06,74.48 RV1.3 155.2,72.92 TP21.1 ; 152.06,82.3 161.17,82.3 162.98,84.11 162.98,88.27 160.82,90.43 150.28,90.43 143.3,83.45 136.13,83.45 132.77,80.08 132.77,76.13 SW_VCO2_OCT_AMNT1.5 ; 152.06,82.3 152.06,86.07 R14.1
Net-(SW_VCO2_OCT_AMNT1B-A): length 49.2
  Top w0.508: SW_VCO2_OCT_AMNT1.2 143.94,79.5 145.08,78.37 145.08,72.91 151.17,66.81 157.9,66.81 158.88,67.79 TP23.1 161.08,71.56 R17.2 161.08,78.11 166.75,83.79 RV2.1
Net-(SW_VCO2_OCT_AMNT1B-B): length 28.8
  Bottom w0.508: SW_VCO2_OCT_DIR1.1 116.23,83.83 132.77,83.83 SW_VCO2_OCT_AMNT1.4
Net-(SW_VCO2_OCT_AMNT1B-C): length 77.5
  Top w0.508: R17.1 158.87,77.24 158.88,77.22 ; 158.88,77.22 158.88,78.45 R16.2 164.38,83.95 164.38,86.24 165.9,87.76 167.68,87.76 169.08,86.37 169.08,71.89 162.73,65.54 150.16,65.54 141.19,74.5 SW_VCO2_OCT_AMNT1.6 ; 158.88,77.22 TP24.1
Net-(SW_VCO2_ON1A-B): length 86.2
  Bottom w0.508: RV_VCO2_VOLUME1.3 179.5,104.27 178.22,105.54 178.22,111.26 175.43,114.05 114.09,114.05 112.18,112.15 112.18,108.59 113.78,107 SW_VCO2_ON1.3
Net-(U1A-+): length 63
  Top w0.508: 69.07,111.2 73.58,106.69 C11.1 ; 69.07,111.2 70.53,112.66 70.53,116.85 v3(74.46,120.78) ; 69.07,111.2 67.69,109.81 SW_OCTAVE1.11
  Bottom w0.508: U1.3 96.44,127.66 96.44,122.82 94.4,120.78 v3(74.46,120.78)
Net-(U1B-+): length 76.2
  Top w0.508: SW_VCO2_OCT_DIR1.3 111.64,77 110.02,78.62 110.02,136.02 107.87,138.18 103.69,138.18 C3.1 101.4,136.16 U1.5
Net-(U1B--): length 13.8
  Top w0.508: U1.7 93.02,134.74 93.39,134.37 95.17,134.37 95.56,134.76 U1.6 95.56,136.8 R19.2 101.39,139.58 TP20.1
Net-(U2A--): length 12.6
  Top w0.508: R36.2 98.97,77.22 R35.1 98.97,73.04 U2.2
Net-(U2B--): length 5.7
  Top w0.508: U2.7 89.21,73.04 89.58,73.41 89.58,75.19 89.19,75.58 U2.6
Net-(U_5VREF1-IN): length 22.2
  Top w0.508: RV_MAIN_VCO_5V1.2 78.66,71.13 78.66,81.79 82.21,85.35 U_5VREF1.1
Net-(U_ADSR_SW_IC1-A0): length 40
  Bottom w0.508: RV_RINGTIME1.1 173.93,148.11 174.54,148.72 184.57,148.72 185.84,147.45 185.84,144.15 188.38,141.61 194.73,141.61 195.62,142.5 195.62,150.38 196.5,151.25 198.03,151.25
Net-(U_ADSR_SW_IC1-A1): length 14.7
  Top w0.508: U_ADSR_SW_IC1.13 198.05,153.8 203.29,153.8 RV_RELEASE_SHORT1.3 203.2,148.89 RV_RELEASE_SHORT1.2
Net-(U_ADSR_SW_IC1-B0): length 8
  Top w0.508: RV_SUSTAIN_LVL1.2 192.83,161.28 U_ADSR_SW_IC1.2
Net-(U_ADSR_SW_IC1-C1): length 22.4
  Top w0.508: RV_RINGTIME1.4 175.93,152.27 177.21,153.55 184.95,153.55 187.73,156.33 190.41,156.33

## Copper pours and planes (outline as drawn; the poured copper is in the pictures)
/Power/12VDC_SW_NEG on Top: 53.34,159.04 57.92,159.04 57.92,154.46 53.34,154.46
/Power/12VDC_SW_POS on Top: 48.26,159.04 52.84,159.04 52.84,154.46 48.26,154.46
GND on GND1: 0,185.5 284,185.5 284,0 0,0
GND on GND2: 0,185.5 284.01,185.5 284.01,0.01 0,0

## Text on the board
B.Silkscreen: EXT CUT | VCO2 P. | GND | DC IN / (+) CENTER | TUNE | MIDI / IN | EXT. / CUTOFF | VCO2 PITCH | PITCH | GATE | HEADPHONES | G | P | IN | CUTOFF | OUT | RESO3 | RESO2 | RESO1 | NC | +12V | -12V | filter connections
User.Comments: PCB dimensions: 290x190mm / Case must be designed with extra spaces in mind! / The position of the core PCB must be finalised according to case manufacturing measures. | 5 | 10 | 15 | 3mm margin | 20 | 25
F.Fab: Filter size / 86x40mm | Grid: 100mil / 2.54mm / Size: 1500 x 2800mil | 215mm | 33mm | Grid: 1mm | Grid: 0.5mm | 50mm | 83mm | 86mm | 100mm | 54mm | 15mm | 44mm | 69mm | 12V DC | On/Off | Fine tune | MIDI In | External / Cutoff | VCO2 / Pitch | Pitch | Gate | Audio Out | PSU board | Core board | MIDI board | Filter board
F.Silkscreen: SQR / SHP | TRI | SAW | SQR | VCO1 / AUDIO | OCT / CV | VCO2 OCT | SUB/ / NOISE / IN | ATTACK | +1V | +2V | -2V | -1V | RELEASE | DECAY / MAX | DECAY | SUS / MAX | ADSR / ENV CV | SUSTAIN | SEL'D / WAVE | PLGND / SRC | PLGND / IN 4 | PITCH / BUF'D | PLGND / DEST 3 | PLGND / DEST | GLIDE / AMNT | LFO A | LFO B | GND | +12V | IN | CUTOFF | OUT | RES3 | RES2 | RES1 | NC | Line | Headp. | DC IN | IF {dblquote}ON{dblquote} LED IS POWERED / FROM MIDI BOARD / 1. CUT THIS JUMPER / 2. DON'T SOLDER THIS RESISTOR | DC SW | TUNE | MIDI | TL072 | 2024 / rev#3 | PITCH | GATE | Use these to mount MIDI2CV / controller in the future. | RING | 12V | SLEEVE | 5T | N/C | 4S | LEDK | TIP | LEDA | CD4053B | -12V | vco1 shape | tracking | volume | cutoff | octave | dirty | soft | vco2 on/off | up/down | sub/•/noise | vco2 shape | 1/2 | hold | level | ring | tune | time | auto-wah | vibrato | playground | speed | gate/adsr | modulate | amount | glide | +5V | -5V | UP | DOWN | LFOA | LFOB | core board | filter conn. | main power | + | - | LV11 HOG / Analog Synth UI | SHMØERGH
